# KiCad board TEST_PANEL.kicad_pcb (continued)
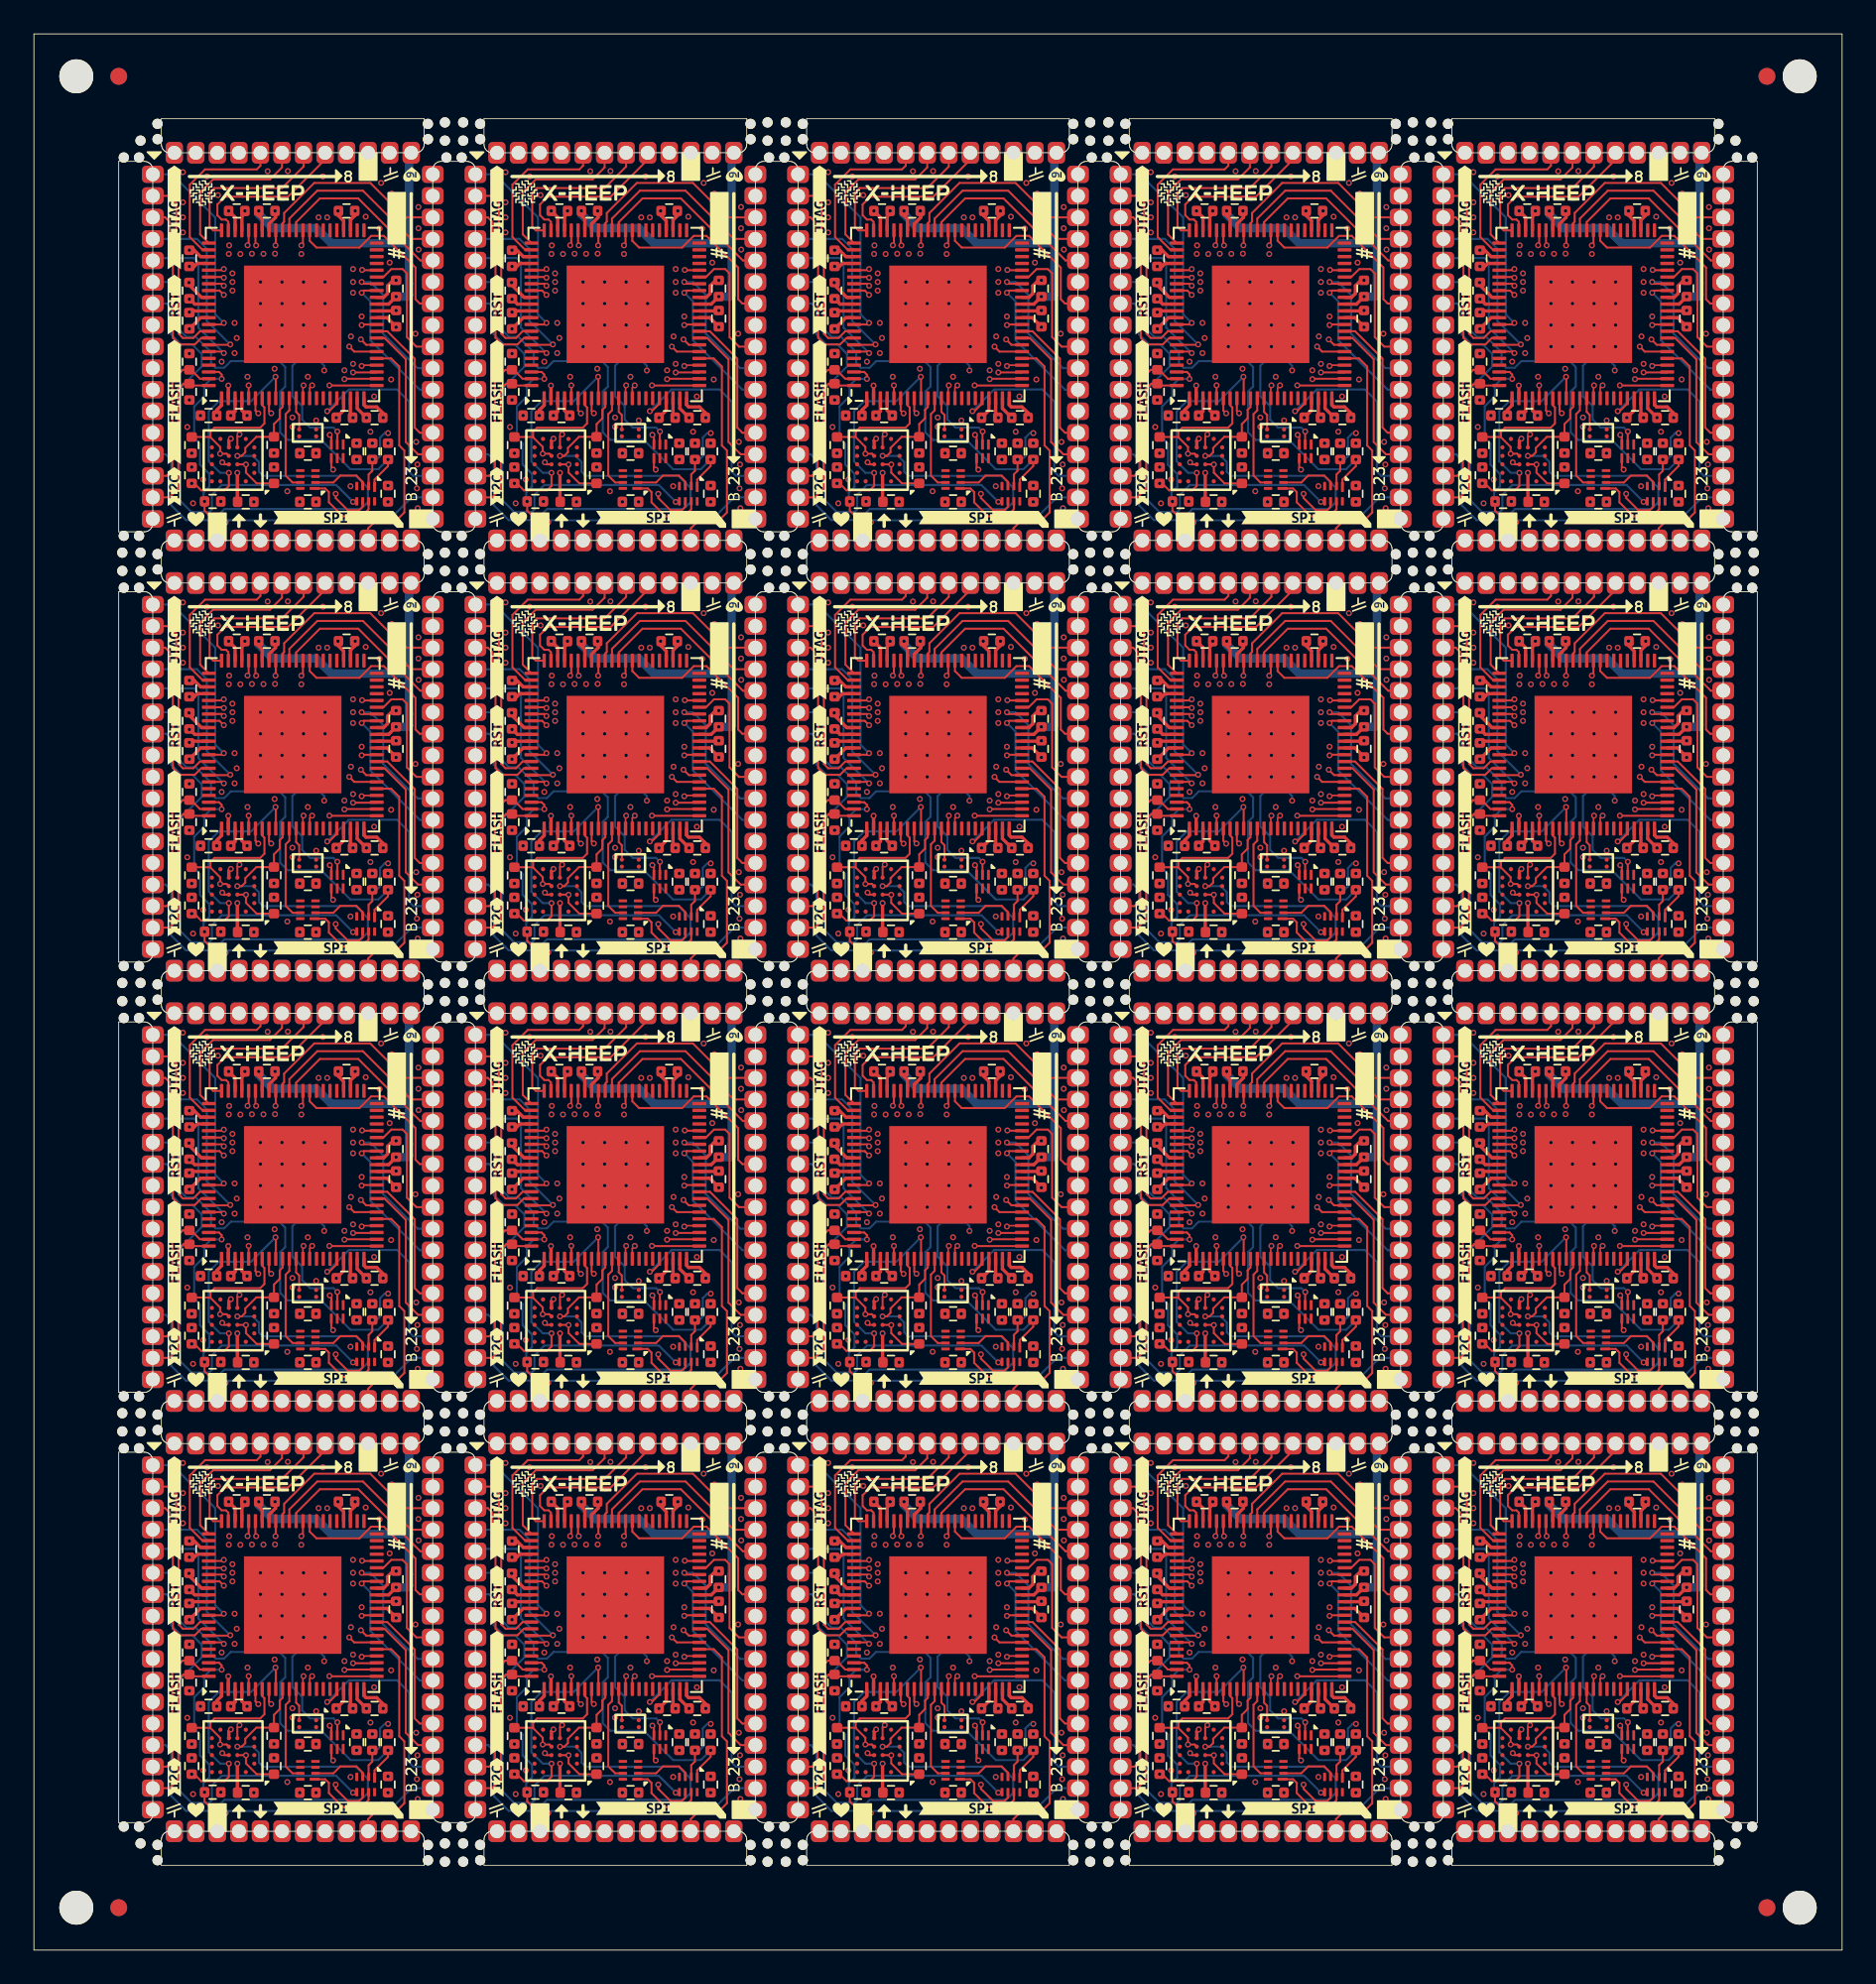
[diagram p0: board, top side]
## Nets (continued)
Board_15-GPIO_3: J1.55 J2.55 J3.55 J4.55 J5.55 J6.55 J7.55 J8.55 J9.55 J10.55 J11.55 J12.55 J13.55 J14.55 J15.55 J16.55 J17.55 J18.55 J19.55 J20.55 U1.71 U6.71 U11.71 U16.71 U21.71 U26.71 U31.71 U36.71 U41.71 U46.71 U51.71 U56.71 U61.71 U66.71 U71.71 U76.71 U81.71 U86.71 U91.71 U96.71
Board_15-GPIO_4: J1.54 J2.54 J3.54 J4.54 J5.54 J6.54 J7.54 J8.54 J9.54 J10.54 J11.54 J12.54 J13.54 J14.54 J15.54 J16.54 J17.54 J18.54 J19.54 J20.54 U1.68 U6.68 U11.68 U16.68 U21.68 U26.68 U31.68 U36.68 U41.68 U46.68 U51.68 U56.68 U61.68 U66.68 U71.68 U76.68 U81.68 U86.68 U91.68 U96.68
Board_15-GPIO_5: J1.53 J2.53 J3.53 J4.53 J5.53 J6.53 J7.53 J8.53 J9.53 J10.53 J11.53 J12.53 J13.53 J14.53 J15.53 J16.53 J17.53 J18.53 J19.53 J20.53 U1.67 U6.67 U11.67 U16.67 U21.67 U26.67 U31.67 U36.67 U41.67 U46.67 U51.67 U56.67 U61.67 U66.67 U71.67 U76.67 U81.67 U86.67 U91.67 U96.67
Board_15-GPIO_6: J1.52 J2.52 J3.52 J4.52 J5.52 J6.52 J7.52 J8.52 J9.52 J10.52 J11.52 J12.52 J13.52 J14.52 J15.52 J16.52 J17.52 J18.52 J19.52 J20.52 U1.66 U6.66 U11.66 U16.66 U21.66 U26.66 U31.66 U36.66 U41.66 U46.66 U51.66 U56.66 U61.66 U66.66 U71.66 U76.66 U81.66 U86.66 U91.66 U96.66
Board_15-GPIO_7: J1.51 J2.51 J3.51 J4.51 J5.51 J6.51 J7.51 J8.51 J9.51 J10.51 J11.51 J12.51 J13.51 J14.51 J15.51 J16.51 J17.51 J18.51 J19.51 J20.51 U1.65 U6.65 U11.65 U16.65 U21.65 U26.65 U31.65 U36.65 U41.65 U46.65 U51.65 U56.65 U61.65 U66.65 U71.65 U76.65 U81.65 U86.65 U91.65 U96.65
Board_15-GPIO_8: J1.50 J2.50 J3.50 J4.50 J5.50 J6.50 J7.50 J8.50 J9.50 J10.50 J11.50 J12.50 J13.50 J14.50 J15.50 J16.50 J17.50 J18.50 J19.50 J20.50 U1.62 U6.62 U11.62 U16.62 U21.62 U26.62 U31.62 U36.62 U41.62 U46.62 U51.62 U56.62 U61.62 U66.62 U71.62 U76.62 U81.62 U86.62 U91.62 U96.62
Board_15-GPIO_9: J1.46 J2.46 J3.46 J4.46 J5.46 J6.46 J7.46 J8.46 J9.46 J10.46 J11.46 J12.46 J13.46 J14.46 J15.46 J16.46 J17.46 J18.46 J19.46 J20.46 U1.61 U6.61 U11.61 U16.61 U21.61 U26.61 U31.61 U36.61 U41.61 U46.61 U51.61 U56.61 U61.61 U66.61 U71.61 U76.61 U81.61 U86.61 U91.61 U96.61
Board_15-GPIO_10: J1.45 J2.45 J3.45 J4.45 J5.45 J6.45 J7.45 J8.45 J9.45 J10.45 J11.45 J12.45 J13.45 J14.45 J15.45 J16.45 J17.45 J18.45 J19.45 J20.45 U1.58 U6.58 U11.58 U16.58 U21.58 U26.58 U31.58 U36.58 U41.58 U46.58 U51.58 U56.58 U61.58 U66.58 U71.58 U76.58 U81.58 U86.58 U91.58 U96.58
Board_15-GPIO_11: J1.44 J2.44 J3.44 J4.44 J5.44 J6.44 J7.44 J8.44 J9.44 J10.44 J11.44 J12.44 J13.44 J14.44 J15.44 J16.44 J17.44 J18.44 J19.44 J20.44 U1.57 U6.57 U11.57 U16.57 U21.57 U26.57 U31.57 U36.57 U41.57 U46.57 U51.57 U56.57 U61.57 U66.57 U71.57 U76.57 U81.57 U86.57 U91.57 U96.57
Board_15-GPIO_12: J1.43 J2.43 J3.43 J4.43 J5.43 J6.43 J7.43 J8.43 J9.43 J10.43 J11.43 J12.43 J13.43 J14.43 J15.43 J16.43 J17.43 J18.43 J19.43 J20.43 U1.56 U6.56 U11.56 U16.56 U21.56 U26.56 U31.56 U36.56 U41.56 U46.56 U51.56 U56.56 U61.56 U66.56 U71.56 U76.56 U81.56 U86.56 U91.56 U96.56
Board_15-GPIO_13: J1.42 J2.42 J3.42 J4.42 J5.42 J6.42 J7.42 J8.42 J9.42 J10.42 J11.42 J12.42 J13.42 J14.42 J15.42 J16.42 J17.42 J18.42 J19.42 J20.42 U1.55 U6.55 U11.55 U16.55 U21.55 U26.55 U31.55 U36.55 U41.55 U46.55 U51.55 U56.55 U61.55 U66.55 U71.55 U76.55 U81.55 U86.55 U91.55 U96.55
Board_15-GPIO_14: J1.41 J2.41 J3.41 J4.41 J5.41 J6.41 J7.41 J8.41 J9.41 J10.41 J11.41 J12.41 J13.41 J14.41 J15.41 J16.41 J17.41 J18.41 J19.41 J20.41 U1.54 U6.54 U11.54 U16.54 U21.54 U26.54 U31.54 U36.54 U41.54 U46.54 U51.54 U56.54 U61.54 U66.54 U71.54 U76.54 U81.54 U86.54 U91.54 U96.54
Board_15-GPIO_15: J1.40 J2.40 J3.40 J4.40 J5.40 J6.40 J7.40 J8.40 J9.40 J10.40 J11.40 J12.40 J13.40 J14.40 J15.40 J16.40 J17.40 J18.40 J19.40 J20.40 U1.53 U6.53 U11.53 U16.53 U21.53 U26.53 U31.53 U36.53 U41.53 U46.53 U51.53 U56.53 U61.53 U66.53 U71.53 U76.53 U81.53 U86.53 U91.53 U96.53
Board_15-GPIO_16: J1.39 J2.39 J3.39 J4.39 J5.39 J6.39 J7.39 J8.39 J9.39 J10.39 J11.39 J12.39 J13.39 J14.39 J15.39 J16.39 J17.39 J18.39 J19.39 J20.39 U1.40 U6.40 U11.40 U16.40 U21.40 U26.40 U31.40 U36.40 U41.40 U46.40 U51.40 U56.40 U61.40 U66.40 U71.40 U76.40 U81.40 U86.40 U91.40 U96.40
Board_15-GPIO_17: J1.38 J2.38 J3.38 J4.38 J5.38 J6.38 J7.38 J8.38 J9.38 J10.38 J11.38 J12.38 J13.38 J14.38 J15.38 J16.38 J17.38 J18.38 J19.38 J20.38 U1.39 U6.39 U11.39 U16.39 U21.39 U26.39 U31.39 U36.39 U41.39 U46.39 U51.39 U56.39 U61.39 U66.39 U71.39 U76.39 U81.39 U86.39 U91.39 U96.39
Board_15-GPIO_18: J1.37 J2.37 J3.37 J4.37 J5.37 J6.37 J7.37 J8.37 J9.37 J10.37 J11.37 J12.37 J13.37 J14.37 J15.37 J16.37 J17.37 J18.37 J19.37 J20.37 U1.38 U6.38 U11.38 U16.38 U21.38 U26.38 U31.38 U36.38 U41.38 U46.38 U51.38 U56.38 U61.38 U66.38 U71.38 U76.38 U81.38 U86.38 U91.38 U96.38
Board_15-GPIO_19: J1.36 J2.36 J3.36 J4.36 J5.36 J6.36 J7.36 J8.36 J9.36 J10.36 J11.36 J12.36 J13.36 J14.36 J15.36 J16.36 J17.36 J18.36 J19.36 J20.36 U1.37 U6.37 U11.37 U16.37 U21.37 U26.37 U31.37 U36.37 U41.37 U46.37 U51.37 U56.37 U61.37 U66.37 U71.37 U76.37 U81.37 U86.37 U91.37 U96.37
Board_15-GPIO_20: J1.35 J2.35 J3.35 J4.35 J5.35 J6.35 J7.35 J8.35 J9.35 J10.35 J11.35 J12.35 J13.35 J14.35 J15.35 J16.35 J17.35 J18.35 J19.35 J20.35 U1.32 U6.32 U11.32 U16.32 U21.32 U26.32 U31.32 U36.32 U41.32 U46.32 U51.32 U56.32 U61.32 U66.32 U71.32 U76.32 U81.32 U86.32 U91.32 U96.32
Board_15-GPIO_21: J1.34 J2.34 J3.34 J4.34 J5.34 J6.34 J7.34 J8.34 J9.34 J10.34 J11.34 J12.34 J13.34 J14.34 J15.34 J16.34 J17.34 J18.34 J19.34 J20.34 U1.31 U6.31 U11.31 U16.31 U21.31 U26.31 U31.31 U36.31 U41.31 U46.31 U51.31 U56.31 U61.31 U66.31 U71.31 U76.31 U81.31 U86.31 U91.31 U96.31
Board_15-GPIO_22: J1.33 J2.33 J3.33 J4.33 J5.33 J6.33 J7.33 J8.33 J9.33 J10.33 J11.33 J12.33 J13.33 J14.33 J15.33 J16.33 J17.33 J18.33 J19.33 J20.33 U1.30 U6.30 U11.30 U16.30 U21.30 U26.30 U31.30 U36.30 U41.30 U46.30 U51.30 U56.30 U61.30 U66.30 U71.30 U76.30 U81.30 U86.30 U91.30 U96.30
Board_15-GPIO_23: J1.32 J2.32 J3.32 J4.32 J5.32 J6.32 J7.32 J8.32 J9.32 J10.32 J11.32 J12.32 J13.32 J14.32 J15.32 J16.32 J17.32 J18.32 J19.32 J20.32 U1.18 U6.18 U11.18 U16.18 U21.18 U26.18 U31.18 U36.18 U41.18 U46.18 U51.18 U56.18 U61.18 U66.18 U71.18 U76.18 U81.18 U86.18 U91.18 U96.18
Board_15-I2C_SCL_HEEP: J1.16 J2.16 J3.16 J4.16 J5.16 J6.16 J7.16 J8.16 J9.16 J10.16 J11.16 J12.16 J13.16 J14.16 J15.16 J16.16 J17.16 J18.16 J19.16 J20.16 R2.2 R11.2 R20.2 R29.2 R38.2 R47.2 R56.2 R65.2 R74.2 R83.2 R92.2 R101.2 R110.2 R119.2 R128.2 R137.2 R146.2 R155.2 R164.2 R173.2 U1.88 U6.88 U11.88 U16.88 U21.88 U26.88 U31.88 U36.88 U41.88 U46.88 U51.88 U56.88 U61.88 U66.88 U71.88 U76.88 U81.88 U86.88 U91.88 U96.88
Board_15-I2C_SDA_HEEP: J1.15 J2.15 J3.15 J4.15 J5.15 J6.15 J7.15 J8.15 J9.15 J10.15 J11.15 J12.15 J13.15 J14.15 J15.15 J16.15 J17.15 J18.15 J19.15 J20.15 R3.2 R12.2 R21.2 R30.2 R39.2 R48.2 R57.2 R66.2 R75.2 R84.2 R93.2 R102.2 R111.2 R120.2 R129.2 R138.2 R147.2 R156.2 R165.2 R174.2 U1.87 U6.87 U11.87 U16.87 U21.87 U26.87 U31.87 U36.87 U41.87 U46.87 U51.87 U56.87 U61.87 U66.87 U71.87 U76.87 U81.87 U86.87 U91.87 U96.87
Board_15-JTAG_TCK: J1.5 J2.5 J3.5 J4.5 J5.5 J6.5 J7.5 J8.5 J9.5 J10.5 J11.5 J12.5 J13.5 J14.5 J15.5 J16.5 J17.5 J18.5 J19.5 J20.5 U1.83 U6.83 U11.83 U16.83 U21.83 U26.83 U31.83 U36.83 U41.83 U46.83 U51.83 U56.83 U61.83 U66.83 U71.83 U76.83 U81.83 U86.83 U91.83 U96.83
Board_15-JTAG_TDI: J1.2 J2.2 J3.2 J4.2 J5.2 J6.2 J7.2 J8.2 J9.2 J10.2 J11.2 J12.2 J13.2 J14.2 J15.2 J16.2 J17.2 J18.2 J19.2 J20.2 U1.80 U6.80 U11.80 U16.80 U21.80 U26.80 U31.80 U36.80 U41.80 U46.80 U51.80 U56.80 U61.80 U66.80 U71.80 U76.80 U81.80 U86.80 U91.80 U96.80
Board_15-JTAG_TDO: J1.1 J2.1 J3.1 J4.1 J5.1 J6.1 J7.1 J8.1 J9.1 J10.1 J11.1 J12.1 J13.1 J14.1 J15.1 J16.1 J17.1 J18.1 J19.1 J20.1 U1.79 U6.79 U11.79 U16.79 U21.79 U26.79 U31.79 U36.79 U41.79 U46.79 U51.79 U56.79 U61.79 U66.79 U71.79 U76.79 U81.79 U86.79 U91.79 U96.79
Board_15-JTAG_TMS: J1.4 J2.4 J3.4 J4.4 J5.4 J6.4 J7.4 J8.4 J9.4 J10.4 J11.4 J12.4 J13.4 J14.4 J15.4 J16.4 J17.4 J18.4 J19.4 J20.4 U1.82 U6.82 U11.82 U16.82 U21.82 U26.82 U31.82 U36.82 U41.82 U46.82 U51.82 U56.82 U61.82 U66.82 U71.82 U76.82 U81.82 U86.82 U91.82 U96.82
Board_15-JTAG_TRST: J1.3 J2.3 J3.3 J4.3 J5.3 J6.3 J7.3 J8.3 J9.3 J10.3 J11.3 J12.3 J13.3 J14.3 J15.3 J16.3 J17.3 J18.3 J19.3 J20.3 R9.2 R18.2 R27.2 R36.2 R45.2 R54.2 R63.2 R72.2 R81.2 R90.2 R99.2 R108.2 R117.2 R126.2 R135.2 R144.2 R153.2 R162.2 R171.2 R180.2 U1.81 U3.2 U6.81 U8.2 U11.81 U13.2 U16.81 U18.2 U21.81 U23.2 U26.81 U28.2 U31.81 U33.2 U36.81 U38.2 U41.81 U43.2 U46.81 U48.2 U51.81 U53.2 U56.81 U58.2 U61.81 U63.2 U66.81 U68.2 U71.81 U73.2 U76.81 U78.2 U81.81 U83.2 U86.81 U88.2 U91.81 U93.2 U96.81 U98.2
Board_15-Manual_RST: J1.6 J2.6 J3.6 J4.6 J5.6 J6.6 J7.6 J8.6 J9.6 J10.6 J11.6 J12.6 J13.6 J14.6 J15.6 J16.6 J17.6 J18.6 J19.6 J20.6 R8.2 R17.2 R26.2 R35.2 R44.2 R53.2 R62.2 R71.2 R80.2 R89.2 R98.2 R107.2 R116.2 R125.2 R134.2 R143.2 R152.2 R161.2 R170.2 R179.2 U3.1 U8.1 U13.1 U18.1 U23.1 U28.1 U33.1 U38.1 U43.1 U48.1 U53.1 U58.1 U63.1 U68.1 U73.1 U78.1 U83.1 U88.1 U93.1 U98.1
Board_15-nRST_HEEP: U1.11 U4.7 U6.11 U9.7 U11.11 U14.7 U16.11 U19.7 U21.11 U24.7 U26.11 U29.7 U31.11 U34.7 U36.11 U39.7 U41.11 U44.7 U46.11 U49.7 U51.11 U54.7 U56.11 U59.7 U61.11 U64.7 U66.11 U69.7 U71.11 U74.7 U76.11 U79.7 U81.11 U84.7 U86.11 U89.7 U91.11 U94.7 U96.11 U99.7
Board_15-PMIC_nRST: J1.7 J2.7 J3.7 J4.7 J5.7 J6.7 J7.7 J8.7 J9.7 J10.7 J11.7 J12.7 J13.7 J14.7 J15.7 J16.7 J17.7 J18.7 J19.7 J20.7 U3.5 U8.5 U13.5 U18.5 U23.5 U28.5 U33.5 U38.5 U43.5 U48.5 U53.5 U58.5 U63.5 U68.5 U73.5 U78.5 U83.5 U88.5 U93.5 U98.5
Board_15-SOC_RST_OUT: J1.8 J2.8 J3.8 J4.8 J5.8 J6.8 J7.8 J8.8 J9.8 J10.8 J11.8 J12.8 J13.8 J14.8 J15.8 J16.8 J17.8 J18.8 J19.8 J20.8 U5.2 U10.2 U15.2 U20.2 U25.2 U30.2 U35.2 U40.2 U45.2 U50.2 U55.2 U60.2 U65.2 U70.2 U75.2 U80.2 U85.2 U90.2 U95.2 U100.2
Board_15-SPI_CS0_HEEP: J1.28 J2.28 J3.28 J4.28 J5.28 J6.28 J7.28 J8.28 J9.28 J10.28 J11.28 J12.28 J13.28 J14.28 J15.28 J16.28 J17.28 J18.28 J19.28 J20.28 U1.28 U6.28 U11.28 U16.28 U21.28 U26.28 U31.28 U36.28 U41.28 U46.28 U51.28 U56.28 U61.28 U66.28 U71.28 U76.28 U81.28 U86.28 U91.28 U96.28
Board_15-SPI_CS1_HEEP: J1.27 J2.27 J3.27 J4.27 J5.27 J6.27 J7.27 J8.27 J9.27 J10.27 J11.27 J12.27 J13.27 J14.27 J15.27 J16.27 J17.27 J18.27 J19.27 J20.27 U1.27 U6.27 U11.27 U16.27 U21.27 U26.27 U31.27 U36.27 U41.27 U46.27 U51.27 U56.27 U61.27 U66.27 U71.27 U76.27 U81.27 U86.27 U91.27 U96.27
Board_15-SPI_MISO_HEEP: J1.24 J2.24 J3.24 J4.24 J5.24 J6.24 J7.24 J8.24 J9.24 J10.24 J11.24 J12.24 J13.24 J14.24 J15.24 J16.24 J17.24 J18.24 J19.24 J20.24 U1.24 U6.24 U11.24 U16.24 U21.24 U26.24 U31.24 U36.24 U41.24 U46.24 U51.24 U56.24 U61.24 U66.24 U71.24 U76.24 U81.24 U86.24 U91.24 U96.24
Board_15-SPI_MOSI_HEEP: J1.23 J2.23 J3.23 J4.23 J5.23 J6.23 J7.23 J8.23 J9.23 J10.23 J11.23 J12.23 J13.23 J14.23 J15.23 J16.23 J17.23 J18.23 J19.23 J20.23 U1.23 U6.23 U11.23 U16.23 U21.23 U26.23 U31.23 U36.23 U41.23 U46.23 U51.23 U56.23 U61.23 U66.23 U71.23 U76.23 U81.23 U86.23 U91.23 U96.23
Board_15-SPI_SCK_HEEP: J1.29 J2.29 J3.29 J4.29 J5.29 J6.29 J7.29 J8.29 J9.29 J10.29 J11.29 J12.29 J13.29 J14.29 J15.29 J16.29 J17.29 J18.29 J19.29 J20.29 U1.29 U6.29 U11.29 U16.29 U21.29 U26.29 U31.29 U36.29 U41.29 U46.29 U51.29 U56.29 U61.29 U66.29 U71.29 U76.29 U81.29 U86.29 U91.29 U96.29
Board_15-SPI_SD2_HEEP: J1.25 J2.25 J3.25 J4.25 J5.25 J6.25 J7.25 J8.25 J9.25 J10.25 J11.25 J12.25 J13.25 J14.25 J15.25 J16.25 J17.25 J18.25 J19.25 J20.25 U1.25 U6.25 U11.25 U16.25 U21.25 U26.25 U31.25 U36.25 U41.25 U46.25 U51.25 U56.25 U61.25 U66.25 U71.25 U76.25 U81.25 U86.25 U91.25 U96.25
Board_15-SPI_SD3_HEEP: J1.26 J2.26 J3.26 J4.26 J5.26 J6.26 J7.26 J8.26 J9.26 J10.26 J11.26 J12.26 J13.26 J14.26 J15.26 J16.26 J17.26 J18.26 J19.26 J20.26 U1.26 U6.26 U11.26 U16.26 U21.26 U26.26 U31.26 U36.26 U41.26 U46.26 U51.26 U56.26 U61.26 U66.26 U71.26 U76.26 U81.26 U86.26 U91.26 U96.26
Board_15-UART_RX_HEEP: J1.21 J2.21 J3.21 J4.21 J5.21 J6.21 J7.21 J8.21 J9.21 J10.21 J11.21 J12.21 J13.21 J14.21 J15.21 J16.21 J17.21 J18.21 J19.21 J20.21 U1.13 U6.13 U11.13 U16.13 U21.13 U26.13 U31.13 U36.13 U41.13 U46.13 U51.13 U56.13 U61.13 U66.13 U71.13 U76.13 U81.13 U86.13 U91.13 U96.13
Board_15-UART_TX_HEEP: J1.22 J2.22 J3.22 J4.22 J5.22 J6.22 J7.22 J8.22 J9.22 J10.22 J11.22 J12.22 J13.22 J14.22 J15.22 J16.22 J17.22 J18.22 J19.22 J20.22 U1.14 U6.14 U11.14 U16.14 U21.14 U26.14 U31.14 U36.14 U41.14 U46.14 U51.14 U56.14 U61.14 U66.14 U71.14 U76.14 U81.14 U86.14 U91.14 U96.14
Board_15-unconnected-(U1-BLADETEST_CK_I-Pad43): U1.43 U6.43 U11.43 U16.43 U21.43 U26.43 U31.43 U36.43 U41.43 U46.43 U51.43 U56.43 U61.43 U66.43 U71.43 U76.43 U81.43 U86.43 U91.43 U96.43
Board_15-unconnected-(U1-BLADETEST_OSC_EN_I-Pad41): U1.41 U6.41 U11.41 U16.41 U21.41 U26.41 U31.41 U36.41 U41.41 U46.41 U51.41 U56.41 U61.41 U66.41 U71.41 U76.41 U81.41 U86.41 U91.41 U96.41
Board_15-unconnected-(U1-BLADETEST_OSC_OUT_O-Pad42): U1.42 U6.42 U11.42 U16.42 U21.42 U26.42 U31.42 U36.42 U41.42 U46.42 U51.42 U56.42 U61.42 U66.42 U71.42 U76.42 U81.42 U86.42 U91.42 U96.42
Board_15-unconnected-(U1-BLADETEST_SC_EN_I-Pad44): U1.44 U6.44 U11.44 U16.44 U21.44 U26.44 U31.44 U36.44 U41.44 U46.44 U51.44 U56.44 U61.44 U66.44 U71.44 U76.44 U81.44 U86.44 U91.44 U96.44
Board_15-unconnected-(U1-BLADETEST_SC_IN_I-Pad46): U1.46 U6.46 U11.46 U16.46 U21.46 U26.46 U31.46 U36.46 U41.46 U46.46 U51.46 U56.46 U61.46 U66.46 U71.46 U76.46 U81.46 U86.46 U91.46 U96.46
Board_15-unconnected-(U1-BLADETEST_SC_OUT_O-Pad45): U1.45 U6.45 U11.45 U16.45 U21.45 U26.45 U31.45 U36.45 U41.45 U46.45 U51.45 U56.45 U61.45 U66.45 U71.45 U76.45 U81.45 U86.45 U91.45 U96.45
Board_15-unconnected-(U1-EXIT_VALID_O-Pad16): U1.16 U6.16 U11.16 U16.16 U21.16 U26.16 U31.16 U36.16 U41.16 U46.16 U51.16 U56.16 U61.16 U66.16 U71.16 U76.16 U81.16 U86.16 U91.16 U96.16
Board_15-unconnected-(U1-EXIT_VALUE_O-Pad17): U1.17 U6.17 U11.17 U16.17 U21.17 U26.17 U31.17 U36.17 U41.17 U46.17 U51.17 U56.17 U61.17 U66.17 U71.17 U76.17 U81.17 U86.17 U91.17 U96.17
Board_15-unconnected-(U1-FLL_CLK_DIV_IO-Pad15): U1.15 U6.15 U11.15 U16.15 U21.15 U26.15 U31.15 U36.15 U41.15 U46.15 U51.15 U56.15 U61.15 U66.15 U71.15 U76.15 U81.15 U86.15 U91.15 U96.15
Board_15-unconnected-(U2-NC-PadA2): U2.A2 U7.A2 U12.A2 U17.A2 U22.A2 U27.A2 U32.A2 U37.A2 U42.A2 U47.A2 U52.A2 U57.A2 U62.A2 U67.A2 U72.A2 U77.A2 U82.A2 U87.A2 U92.A2 U97.A2
Board_15-unconnected-(U2-NC-PadA5): U2.A5 U7.A5 U12.A5 U17.A5 U22.A5 U27.A5 U32.A5 U37.A5 U42.A5 U47.A5 U52.A5 U57.A5 U62.A5 U67.A5 U72.A5 U77.A5 U82.A5 U87.A5 U92.A5 U97.A5
Board_15-unconnected-(U2-NC-PadA6): U2.A6 U7.A6 U12.A6 U17.A6 U22.A6 U27.A6 U32.A6 U37.A6 U42.A6 U47.A6 U52.A6 U57.A6 U62.A6 U67.A6 U72.A6 U77.A6 U82.A6 U87.A6 U92.A6 U97.A6
Board_15-unconnected-(U2-NC-PadB1): U2.B1 U7.B1 U12.B1 U17.B1 U22.B1 U27.B1 U32.B1 U37.B1 U42.B1 U47.B1 U52.B1 U57.B1 U62.B1 U67.B1 U72.B1 U77.B1 U82.B1 U87.B1 U92.B1 U97.B1
Board_15-unconnected-(U2-NC-PadB6): U2.B6 U7.B6 U12.B6 U17.B6 U22.B6 U27.B6 U32.B6 U37.B6 U42.B6 U47.B6 U52.B6 U57.B6 U62.B6 U67.B6 U72.B6 U77.B6 U82.B6 U87.B6 U92.B6 U97.B6
Board_15-unconnected-(U2-NC-PadC1): U2.C1 U7.C1 U12.C1 U17.C1 U22.C1 U27.C1 U32.C1 U37.C1 U42.C1 U47.C1 U52.C1 U57.C1 U62.C1 U67.C1 U72.C1 U77.C1 U82.C1 U87.C1 U92.C1 U97.C1
Board_15-unconnected-(U2-NC-PadC6): U2.C6 U7.C6 U12.C6 U17.C6 U22.C6 U27.C6 U32.C6 U37.C6 U42.C6 U47.C6 U52.C6 U57.C6 U62.C6 U67.C6 U72.C6 U77.C6 U82.C6 U87.C6 U92.C6 U97.C6
Board_15-unconnected-(U2-NC-PadD1): U2.D1 U7.D1 U12.D1 U17.D1 U22.D1 U27.D1 U32.D1 U37.D1 U42.D1 U47.D1 U52.D1 U57.D1 U62.D1 U67.D1 U72.D1 U77.D1 U82.D1 U87.D1 U92.D1 U97.D1
Board_15-unconnected-(U2-NC-PadD6): U2.D6 U7.D6 U12.D6 U17.D6 U22.D6 U27.D6 U32.D6 U37.D6 U42.D6 U47.D6 U52.D6 U57.D6 U62.D6 U67.D6 U72.D6 U77.D6 U82.D6 U87.D6 U92.D6 U97.D6
Board_15-unconnected-(U2-NC-PadE1): U2.E1 U7.E1 U12.E1 U17.E1 U22.E1 U27.E1 U32.E1 U37.E1 U42.E1 U47.E1 U52.E1 U57.E1 U62.E1 U67.E1 U72.E1 U77.E1 U82.E1 U87.E1 U92.E1 U97.E1
Board_15-unconnected-(U2-NC-PadE6): U2.E6 U7.E6 U12.E6 U17.E6 U22.E6 U27.E6 U32.E6 U37.E6 U42.E6 U47.E6 U52.E6 U57.E6 U62.E6 U67.E6 U72.E6 U77.E6 U82.E6 U87.E6 U92.E6 U97.E6
Board_15-unconnected-(U2-NC-PadF2): U2.F2 U7.F2 U12.F2 U17.F2 U22.F2 U27.F2 U32.F2 U37.F2 U42.F2 U47.F2 U52.F2 U57.F2 U62.F2 U67.F2 U72.F2 U77.F2 U82.F2 U87.F2 U92.F2 U97.F2
Board_15-unconnected-(U2-NC-PadF5): U2.F5 U7.F5 U12.F5 U17.F5 U22.F5 U27.F5 U32.F5 U37.F5 U42.F5 U47.F5 U52.F5 U57.F5 U62.F5 U67.F5 U72.F5 U77.F5 U82.F5 U87.F5 U92.F5 U97.F5
Board_15-unconnected-(U4-Pad3): U4.3 U9.3 U14.3 U19.3 U24.3 U29.3 U34.3 U39.3 U44.3 U49.3 U54.3 U59.3 U64.3 U69.3 U74.3 U79.3 U84.3 U89.3 U94.3 U99.3
Board_15-unconnected-(U5-Pad1): U5.1 U10.1 U15.1 U20.1 U25.1 U30.1 U35.1 U40.1 U45.1 U50.1 U55.1 U60.1 U65.1 U70.1 U75.1 U80.1 U85.1 U90.1 U95.1 U100.1
Board_15-unconnected-(U5-Pad5): U5.5 U10.5 U15.5 U20.5 U25.5 U30.5 U35.5 U40.5 U45.5 U50.5 U55.5 U60.5 U65.5 U70.5 U75.5 U80.5 U85.5 U90.5 U95.5 U100.5
Board_15-VCORE: C7.2 C8.2 C9.2 C10.2 C11.2 C12.2 C24.2 C25.2 C26.2 C27.2 C28.2 C29.2 C41.2 C42.2 C43.2 C44.2 C45.2 C46.2 C58.2 C59.2 C60.2 C61.2 C62.2 C63.2 C75.2 C76.2 C77.2 C78.2 C79.2 C80.2 C92.2 C93.2 C94.2 C95.2 C96.2 C97.2 C109.2 C110.2 C111.2 C112.2 C113.2 C114.2 C126.2 C127.2 C128.2 C129.2 C130.2 C131.2 C143.2 C144.2 C145.2 C146.2 C147.2 C148.2 C160.2 C161.2 C162.2 C163.2 C164.2 C165.2 C177.2 C178.2 C179.2 C180.2 C181.2 C182.2 C194.2 C195.2 C196.2 C197.2 C198.2 C199.2 C211.2 C212.2 C213.2 C214.2 C215.2 C216.2 C228.2 C229.2 C230.2 C231.2 C232.2 C233.2 C245.2 C246.2 C247.2 C248.2 C249.2 C250.2 C262.2 C263.2 C264.2 C265.2 C266.2 C267.2 C279.2 C280.2 C281.2 C282.2 C283.2 C284.2 C296.2 C297.2 C298.2 C299.2 C300.2 C301.2 C313.2 C314.2 C315.2 C316.2 C317.2 C318.2 C330.2 C331.2 C332.2 C333.2 C334.2 C335.2 J1.19 J1.47 J2.19 J2.47 J3.19 J3.47 J4.19 J4.47 J5.19 J5.47 J6.19 J6.47 J7.19 J7.47 J8.19 J8.47 J9.19 J9.47 J10.19 J10.47 J11.19 J11.47 J12.19 J12.47 J13.19 J13.47 J14.19 J14.47 J15.19 J15.47 J16.19 J16.47 J17.19 J17.47 J18.19 J18.47 J19.19 J19.47 J20.19 J20.47 U1.1 U1.21 U1.35 U1.60 U1.70 U1.76 U6.1 U6.21 U6.35 U6.60 U6.70 U6.76 U11.1 U11.21 U11.35 U11.60 U11.70 U11.76 U16.1 U16.21 U16.35 U16.60 U16.70 U16.76 U21.1 U21.21 U21.35 U21.60 U21.70 U21.76 U26.1 U26.21 U26.35 U26.60 U26.70 U26.76 U31.1 U31.21 U31.35 U31.60 U31.70 U31.76 U36.1 U36.21 U36.35 U36.60 U36.70 U36.76 U41.1 U41.21 U41.35 U41.60 U41.70 U41.76 U46.1 U46.21 U46.35 U46.60 U46.70 U46.76 U51.1 U51.21 U51.35 U51.60 U51.70 U51.76 U56.1 U56.21 U56.35 U56.60 U56.70 U56.76 U61.1 U61.21 U61.35 U61.60 U61.70 U61.76 U66.1 U66.21 U66.35 U66.60 U66.70 U66.76 U71.1 U71.21 U71.35 U71.60 U71.70 U71.76 U76.1 U76.21 U76.35 U76.60 U76.70 U76.76 U81.1 U81.21 U81.35 U81.60 U81.70 U81.76 U86.1 U86.21 U86.35 U86.60 U86.70 U86.76 U91.1 U91.21 U91.35 U91.60 U91.70 U91.76 U96.1 U96.21 U96.35 U96.60 U96.70 U96.76

## Via types
v1: diameter 0.35, hole 0.2, Top to Bottom, 3380 vias

## Routing (per net, layer and track width the routed paths; a pad name or vN(x,y) marks a point on that pad's centre or on a via; arc(x,y) is an arc through that point)
Board_15-+1V8: length 196.2
  Top w0.12: 69.06,9.31 C65.2 ; 69.06,85.42 C320.2 ; 88.09,34.68 C167.2 ; 11.99,60.05 C184.2 ; 11.99,85.42 C269.2 ; 31.01,60.05 C201.2 ; 50.04,60.05 C218.2 ; 50.04,9.31 C48.2 ; 11.99,9.31 C14.2 ; 50.04,85.42 C303.2 ; 11.99,34.68 C99.2 ; 69.06,34.68 C150.2 ; 31.01,85.42 C286.2 ; 69.06,60.05 C235.2 ; 31.01,9.31 C31.2 ; 88.09,9.31 C82.2 ; 50.04,34.68 C133.2 ; 88.09,85.42 C337.2 ; 31.01,34.68 C116.2 ; 88.09,60.05 C252.2
  Top w0.2: v1(87.59,51.81) 87.97,51.43 U46.64 ; U76.19 18.26,90.79 v1(17.83,90.36) 17.69,90.22 17.69,90.17 ; U46.19 94.37,40.05 v1(93.94,39.62) 93.8,39.48 93.8,39.43 ; U71.78 85.93,70.88 v1(85.27,70.22) ; 36.72,64.8 36.72,64.85 v1(36.86,64.99) 37.29,65.42 U56.19 ; U1.64 11.86,26.06 v1(11.48,26.44) ; U51.19 18.26,65.42 v1(17.83,64.99) 17.69,64.85 17.69,64.8 ; C48.2 50.05,9.3 v1(50.05,11) ; U1.3 11.86,14.63 v1(11.61,14.37) ; C292.2 58.88,96.26 U86.33 ; C252.2 88.1,60.04 v1(88.1,61.74) ; U41.19 75.34,40.05 v1(74.91,39.62) 74.77,39.48 74.77,39.43 ; U46.48 94.37,51.22 94.06,51.53 C157.2 ; U26.33 20.83,45.51 C88.2 ; U66.78 66.91,70.88 v1(66.25,70.22) ; 17.69,14.06 17.69,14.11 v1(17.83,14.25) 18.26,14.68 U1.19 ; U86.78 47.88,96.26 v1(47.22,95.59) ; v1(11.48,51.81) 11.86,51.43 U26.64 ; U81.33 39.85,96.26 C275.2 ; v1(49.66,65.12) 49.91,65.37 U61.3 ; U61.78 47.88,70.88 v1(47.22,70.22) ; U41.64 68.94,51.43 v1(68.56,51.81) ; v1(50.05,61.74) 50.05,60.04 C218.2 ; C89.2 17.96,51.53 18.26,51.22 U26.48 ; v1(66.25,19.48) 66.91,20.14 U16.78 ; C31.2 31.02,9.3 v1(31.02,11) ; U36.19 56.31,40.05 v1(55.88,39.62) 55.75,39.48 55.75,39.43 ; v1(50.05,36.37) 50.05,34.67 C133.2 ; U76.78 9.83,96.26 v1(9.17,95.59) ; U21.48 94.37,25.85 94.06,26.16 C72.2 ; U91.3 68.94,90.74 v1(68.69,90.49) ; U21.19 94.37,14.68 v1(93.94,14.25) 93.8,14.11 93.8,14.06 ; U66.48 75.34,76.59 75.04,76.9 C225.2 ; U6.3 30.89,14.63 v1(30.63,14.37) ; U76.48 18.26,101.96 17.96,102.27 C259.2 ; v1(49.53,51.81) 49.91,51.43 U36.64 ; U31.64 30.89,51.43 v1(30.51,51.81) ; U51.64 11.86,76.8 v1(11.48,77.18) ; v1(31.02,87.11) 31.02,85.41 C286.2 ; v1(69.07,61.74) 69.07,60.04 C235.2 ; v1(47.22,19.48) 47.88,20.14 U11.78 ; 17.69,39.43 17.69,39.48 v1(17.83,39.62) 18.26,40.05 U26.19 ; C310.2 75.04,102.27 75.34,101.96 U91.48 ; U61.64 49.91,76.8 v1(49.53,77.18) ; v1(30.51,26.44) 30.89,26.06 U6.64 ; U51.33 20.83,70.88 C173.2 ; C276.2 36.98,102.27 37.29,101.96 U81.48 ; C156.2 96.93,45.51 U46.33 ; C207.2 58.88,70.88 U61.33 ; C269.2 12,85.41 v1(12,87.11) ; U21.33 96.93,20.14 97.46,19.61 ; C14.2 12,9.3 v1(12,11) ; U86.48 56.31,101.96 56.01,102.27 C293.2 ; U16.19 75.34,14.68 v1(74.91,14.25) 74.77,14.11 74.77,14.06 ; C258.2 20.83,96.26 U76.33 ; U56.3 30.89,65.37 v1(30.63,65.12) ; C38.2 56.01,26.16 56.31,25.85 U11.48 ; C116.2 31.02,34.67 v1(31.02,36.37) ; U86.64 49.91,102.17 v1(49.53,102.55) ; U41.48 75.34,51.22 75.04,51.53 C140.2 ; U66.33 77.9,70.88 C224.2 ; U36.33 58.88,45.51 C122.2 ; v1(66.25,44.85) 66.91,45.51 U41.78 ; C123.2 56.01,51.53 56.31,51.22 U36.48 ; C65.2 69.07,9.3 v1(69.07,11) ; 55.75,14.06 55.75,14.11 v1(55.88,14.25) 56.31,14.68 U11.19 ; U31.33 39.85,45.51 C105.2 ; v1(88.1,11) 88.1,9.3 C82.2 ; v1(12,61.74) 12,60.04 C184.2 ; v1(30.63,39.74) 30.89,40 U31.3 ; v1(68.69,39.74) 68.94,40 U41.3 ; v1(28.19,95.59) 28.85,96.26 U81.78 ; U71.48 94.37,76.59 94.06,76.9 C242.2 ; U31.19 37.29,40.05 v1(36.86,39.62) 36.72,39.48 36.72,39.43 ; 21.36,19.61 20.83,20.14 U1.33 ; C55.2 75.04,26.16 75.34,25.85 U16.48 ; C4.2 17.96,26.16 18.26,25.85 U1.48 ; v1(68.56,102.55) 68.94,102.17 U91.64 ; U21.3 87.97,14.63 v1(87.71,14.37) ; C190.2 39.85,70.88 U56.33 ; v1(87.59,77.18) 87.97,76.8 U71.64 ; 55.75,64.8 55.75,64.85 v1(55.88,64.99) 56.31,65.42 U61.19 ; v1(11.61,65.12) 11.86,65.37 U51.3 ; C201.2 31.02,60.04 v1(31.02,61.74) ; v1(28.19,70.22) 28.85,70.88 U56.78 ; U21.78 85.93,20.14 v1(85.27,19.48) ; U21.64 87.97,26.06 v1(87.59,26.44) ; U71.33 96.93,70.88 C241.2 ; 36.72,90.17 36.72,90.22 v1(36.86,90.36) 37.29,90.79 U81.19 ; v1(68.56,77.18) 68.94,76.8 U66.64 ; U76.64 11.86,102.17 v1(11.48,102.55) ; U6.33 39.85,20.14 40.38,19.61 ; v1(69.07,36.37) 69.07,34.67 C150.2 ; U91.33 77.9,96.26 C309.2 ; U46.78 85.93,45.51 v1(85.27,44.85) ; U81.3 30.89,90.74 v1(30.63,90.49) ; v1(49.66,90.49) 49.91,90.74 U86.3 ; U96.19 94.37,90.79 v1(93.94,90.36) 93.8,90.22 93.8,90.17 ; v1(49.66,14.37) 49.91,14.63 U11.3 ; U11.33 58.88,20.14 59.41,19.61 ; v1(11.61,90.49) 11.86,90.74 U76.3 ; U6.78 28.85,20.14 v1(28.19,19.48) ; U96.78 85.93,96.26 v1(85.27,95.59) ; 36.72,14.06 36.72,14.11 v1(36.86,14.25) 37.29,14.68 U6.19 ; U11.64 49.91,26.06 v1(49.53,26.44) ; v1(30.51,102.55) 30.89,102.17 U81.64 ; U91.19 75.34,90.79 v1(74.91,90.36) 74.77,90.22 74.77,90.17 ; U16.3 68.94,14.63 v1(68.69,14.37) ; C174.2 17.96,76.9 18.26,76.59 U51.48 ; U91.78 66.91,96.26 v1(66.25,95.59) ; U66.3 68.94,65.37 v1(68.69,65.12) ; v1(87.71,65.12) 87.97,65.37 U71.3 ; v1(88.1,87.11) 88.1,85.41 C337.2 ; v1(87.59,102.55) 87.97,102.17 U96.64 ; v1(50.05,87.11) 50.05,85.41 C303.2 ; U56.64 30.89,76.8 v1(30.51,77.18) ; U6.48 37.29,25.85 36.98,26.16 C21.2 ; 93.8,64.8 93.8,64.85 v1(93.94,64.99) 94.37,65.42 U71.19 ; v1(68.56,26.44) 68.94,26.06 U16.64 ; U61.48 56.31,76.59 56.01,76.9 C208.2 ; U31.48 37.29,51.22 36.98,51.53 C106.2 ; v1(9.17,44.85) 9.83,45.51 U26.78 ; v1(28.19,44.85) 28.85,45.51 U31.78 ; U56.48 37.29,76.59 36.98,76.9 C191.2 ; U51.78 9.83,70.88 v1(9.17,70.22) ; U96.48 94.37,101.96 94.06,102.27 C327.2 ; U66.19 75.34,65.42 v1(74.91,64.99) 74.77,64.85 74.77,64.8 ; U1.78 9.83,20.14 v1(9.17,19.48) ; v1(49.66,39.74) 49.91,40 U36.3 ; U96.3 87.97,90.74 v1(87.71,90.49) ; v1(69.07,87.11) 69.07,85.41 C320.2 ; v1(12,36.37) 12,34.67 C99.2 ; U41.33 77.9,45.51 C139.2 ; U16.33 77.9,20.14 78.44,19.61 ; 55.75,90.17 55.75,90.22 v1(55.88,90.36) 56.31,90.79 U86.19 ; C326.2 96.93,96.26 U96.33 ; U36.78 47.88,45.51 v1(47.22,44.85) ; v1(87.71,39.74) 87.97,40 U46.3 ; U26.3 11.86,40 v1(11.61,39.74) ; C167.2 88.1,34.67 v1(88.1,36.37)
  vias: v1(9.17,94.14) v1(9.17,91.4) v1(9.17,68.77) v1(9.17,66.03) v1(9.17,43.4) v1(9.17,40.66) v1(9.17,18.03) v1(9.17,15.29) v1(9.31,88.26) v1(9.31,87.44) v1(9.31,62.89) v1(9.31,62.07) v1(9.31,37.52) v1(9.31,36.7) v1(9.31,12.15) v1(9.31,11.33) v1(11.02,85.42) v1(11.02,60.05) v1(11.02,34.68) v1(11.02,9.31) v1(14.16,88.27) v1(14.16,87.44) v1(14.16,62.9) v1(14.16,62.07) v1(14.16,37.53) v1(14.16,36.7) v1(14.16,12.16) v1(14.16,11.33) v1(15.67,88.26) v1(15.67,85.4) v1(15.67,62.89) v1(15.67,60.02) v1(15.67,37.52) v1(15.67,34.65) v1(15.67,12.15) v1(15.67,9.28) v1(17.93,102.55) v1(17.93,77.18) v1(17.93,51.81) v1(17.93,26.44) v1(19.03,87.89) v1(19.03,62.52) v1(19.03,37.15) v1(19.03,11.78) v1(19.95,88.85) v1(19.95,63.48) v1(19.95,38.11) v1(19.95,12.74) v1(20.88,88.85) v1(20.88,85.4) v1(20.88,63.48) v1(20.88,60.02) v1(20.88,38.11) v1(20.88,34.65) v1(20.88,12.74) v1(20.88,9.28) v1(21.36,95.69) v1(21.36,70.32) v1(21.36,44.95) v1(21.36,19.58) v1(28.19,94.14) v1(28.19,91.4) v1(28.19,68.77) v1(28.19,66.03) v1(28.19,43.4) v1(28.19,40.66) v1(28.19,18.03) v1(28.19,15.29) v1(28.33,88.26) v1(28.33,87.44) v1(28.33,62.89) v1(28.33,62.07) v1(28.33,37.52) v1(28.33,36.7) v1(28.33,12.15) v1(28.33,11.33) v1(30.05,85.42) v1(30.05,60.05) v1(30.05,34.68) v1(30.05,9.31) v1(33.18,88.27) v1(33.18,87.44) v1(33.18,62.9) v1(33.18,62.07) v1(33.18,37.53) v1(33.18,36.7) v1(33.18,12.16) v1(33.18,11.33) v1(34.7,88.26) v1(34.7,85.4) v1(34.7,62.89) v1(34.7,60.02) v1(34.7,37.52) v1(34.7,34.65) v1(34.7,12.15) v1(34.7,9.28) v1(36.96,102.55) v1(36.96,77.18) v1(36.96,51.81) v1(36.96,26.44) v1(38.06,87.89) v1(38.06,62.52) v1(38.06,37.15) v1(38.06,11.78) v1(38.98,88.85) v1(38.98,63.48) v1(38.98,38.11) v1(38.98,12.74) v1(39.91,88.85) v1(39.91,85.4) v1(39.91,63.48) v1(39.91,60.02) v1(39.91,38.11) v1(39.91,34.65) v1(39.91,12.74) v1(39.91,9.28) v1(40.38,95.69) v1(40.38,70.32) v1(40.38,44.95) v1(40.38,19.58) v1(47.22,94.14) v1(47.22,91.4) v1(47.22,68.77) v1(47.22,66.03) v1(47.22,43.4) v1(47.22,40.66) v1(47.22,18.03) v1(47.22,15.29) v1(47.36,88.26) v1(47.36,87.44) v1(47.36,62.89) v1(47.36,62.07) v1(47.36,37.52) v1(47.36,36.7) v1(47.36,12.15) v1(47.36,11.33) v1(49.07,85.42) v1(49.07,60.05) v1(49.07,34.68) v1(49.07,9.31) v1(52.21,88.27) v1(52.21,87.44) v1(52.21,62.9) v1(52.21,62.07) v1(52.21,37.53) v1(52.21,36.7) v1(52.21,12.16) v1(52.21,11.33) v1(53.73,88.26) v1(53.73,85.4) v1(53.73,62.89) v1(53.73,60.02) v1(53.73,37.52) v1(53.73,34.65) v1(53.73,12.15) v1(53.73,9.28) v1(55.98,102.55) v1(55.98,77.18) v1(55.98,51.81) v1(55.98,26.44) v1(57.08,87.89) v1(57.08,62.52) v1(57.08,37.15) v1(57.08,11.78) v1(58.01,88.85) v1(58.01,63.48) v1(58.01,38.11) v1(58.01,12.74) v1(58.93,88.85) v1(58.93,85.4) v1(58.93,63.48) v1(58.93,60.02) v1(58.93,38.11) v1(58.93,34.65) v1(58.93,12.74) v1(58.93,9.28) v1(59.41,95.69) v1(59.41,70.32) v1(59.41,44.95) v1(59.41,19.58) v1(66.25,94.14) v1(66.25,91.4) v1(66.25,68.77) v1(66.25,66.03) v1(66.25,43.4) v1(66.25,40.66) v1(66.25,18.03) v1(66.25,15.29) v1(66.38,88.26) v1(66.38,87.44) v1(66.38,62.89) v1(66.38,62.07) v1(66.38,37.52) v1(66.38,36.7) v1(66.38,12.15) v1(66.38,11.33) v1(68.1,85.42) v1(68.1,60.05) v1(68.1,34.68) v1(68.1,9.31) v1(71.23,88.27) v1(71.23,87.44) v1(71.23,62.9) v1(71.23,62.07) v1(71.23,37.53) v1(71.23,36.7) v1(71.23,12.16) v1(71.23,11.33) v1(72.75,88.26) v1(72.75,85.4) v1(72.75,62.89) v1(72.75,60.02) v1(72.75,37.52) v1(72.75,34.65) v1(72.75,12.15) v1(72.75,9.28) v1(75.01,102.55) v1(75.01,77.18) v1(75.01,51.81) v1(75.01,26.44) v1(76.11,87.89) v1(76.11,62.52) v1(76.11,37.15) v1(76.11,11.78) v1(77.03,88.85) v1(77.03,63.48) v1(77.03,38.11) v1(77.03,12.74) v1(77.96,88.85) v1(77.96,85.4) v1(77.96,63.48) v1(77.96,60.02) v1(77.96,38.11) v1(77.96,34.65) v1(77.96,12.74) v1(77.96,9.28) v1(78.44,95.69) v1(78.44,70.32) v1(78.44,44.95) v1(78.44,19.58) v1(85.27,94.14) v1(85.27,91.4) v1(85.27,68.77) v1(85.27,66.03) v1(85.27,43.4) v1(85.27,40.66) v1(85.27,18.03) v1(85.27,15.29) v1(85.41,88.26) v1(85.41,87.44) v1(85.41,62.89) v1(85.41,62.07) v1(85.41,37.52) v1(85.41,36.7) v1(85.41,12.15) v1(85.41,11.33) v1(87.12,85.42) v1(87.12,60.05) v1(87.12,34.68) v1(87.12,9.31) v1(90.26,88.27) v1(90.26,87.44) v1(90.26,62.9) v1(90.26,62.07) v1(90.26,37.53) v1(90.26,36.7) v1(90.26,12.16) v1(90.26,11.33) v1(91.78,88.26) v1(91.78,85.4) v1(91.78,62.89) v1(91.78,60.02) v1(91.78,37.52) v1(91.78,34.65) v1(91.78,12.15) v1(91.78,9.28) v1(94.03,102.55) v1(94.03,77.18) v1(94.03,51.81) v1(94.03,26.44) v1(95.13,87.89) v1(95.13,62.52) v1(95.13,37.15) v1(95.13,11.78) v1(96.06,88.85) v1(96.06,63.48) v1(96.06,38.11) v1(96.06,12.74) v1(96.98,88.85) v1(96.98,85.4) v1(96.98,63.48) v1(96.98,60.02) v1(96.98,38.11) v1(96.98,34.65) v1(96.98,12.74) v1(96.98,9.28) v1(97.46,95.69) v1(97.46,70.32) v1(97.46,44.95) v1(97.46,19.58)
